# Altium PCB WiCAN_V2.PcbDoc (part 2 of 2)
Units mm, origin at the board's own origin, x right, y up, seen from the top; angles counter-clockwise.
Board outline 45 x 65 mm, 2 copper layers (Top Layer, Bottom Layer); 93 components, 68 nets, 354 pads, 217 vias.
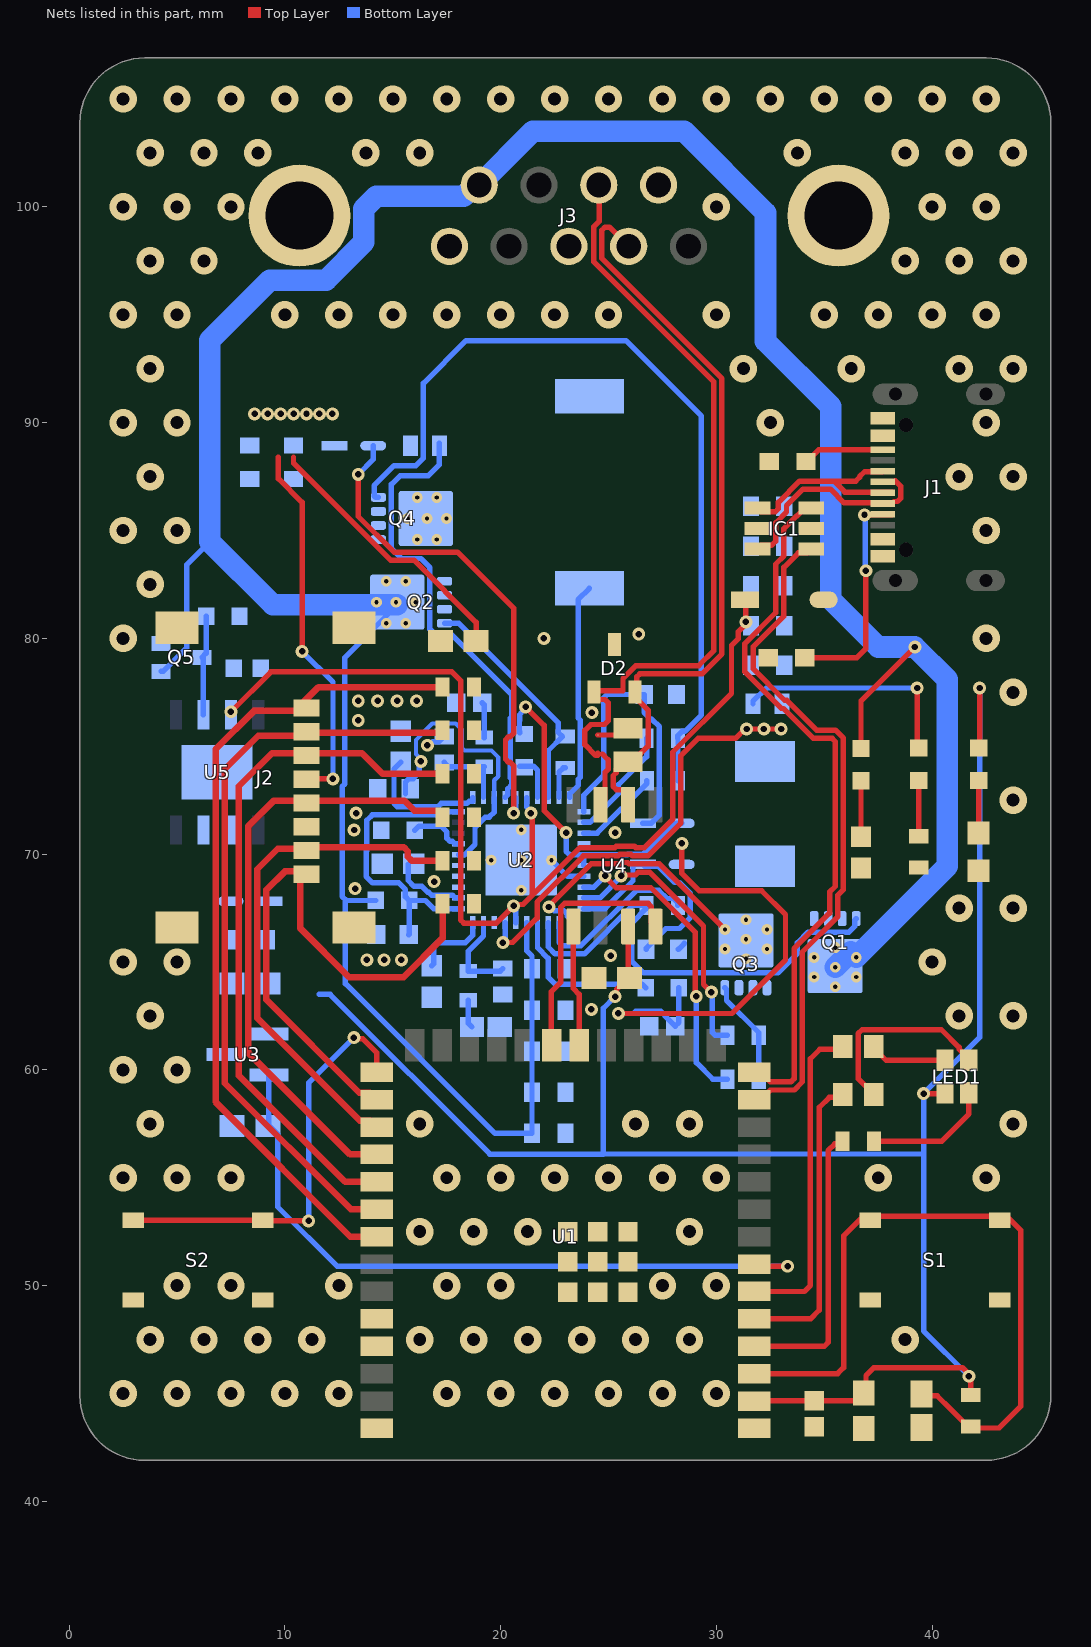
[diagram p2: the nets of this part, all layers, seen from the top]

## Part data (continued)
R13: library part CMP-03412-011629-2, "RES 100Ω 1.00% 0.1W 0603", Case/Package=0603, Resistance=100R, Tolerance=1%, RoHS Compliant=Yes
R14: library part CMP-2001-00481-1, Manufacturer=Panasonic, Package=0805, Resistance=120R, Part Number=ERJ-P06J121V
R15 R16: library part CMP-03412-003579-2, "RES 5.1KΩ 1.00% 0.1W 0603", Resistor=5.1k, RoHS Compliant=Yes
R17 R18 R19 R20 R32: "RES SMD 10kO 1% 1/10W 0603", Manufacturer_Name=Yageo, Copyright="Copyright (C) 2025 Ultra Librarian. All rights reserved.", Manufacturer_Part_Number=RC0603FR-0710KL, R=10k
R21: "RES SMD 2.5K OHM 0.1% 1/6W 0603", Manufacturer_Name="Stackpole International", Copyright="Copyright (C) 2025 Ultra Librarian. All rights reserved.", Manufacturer_Part_Number=RNCF0603BTE2K50, R=2.5k
R22 R23 R24 R25 R26 R28: library part CMP-26527-005040-1, "10Ω ±1% 0.1W 0603 Thick Film Chip Resistor AEC-Q200 compliant", Case Code (Imperial)=0603, Case Code (Metric)=1608, Max Operating Temperature=155°C, Max Power Dissipation=100mW, Min Operating Temperature=-55°C, Resistance=10R, Resistor Type="Thick Film", Temperature Coefficient=100ppm/°C, Tolerance=1%, Case/Package=0603, Construction=Rectangular, Contact Plating=Tin, Depth=0.8mm, Features="Automotive AEC-Q200", Height=0.022inch, Length=1.55mm, Military Standard=Not, Mount="Surface Mount", Number of Terminations=2, Packaging="Tape and Reel", Power Rating=100mW, Radiation Hardening=No, RoHS Compliant=Yes, Series=RMCF, Width=0.031inch
R27 R29: library part CMP-02407-000603-1, "RES SMD 100 OHM 1% 1/8W 0603", Case Code (Imperial)=0603, Case Code (Metric)=1608, Max Operating Temperature=155°C, Min Operating Temperature=-55°C, Power Rating=125mW, Resistance=4.02kR, Tolerance=0.1%, Voltage Rating=75V, Case/Package=0603, Composition="Thin Film", Height=0.45mm, Length=1.55mm, Packaging="Tape and Reel", Weight=6.7E-05oz, Width=0.85mm
R30 R31: library part CMP-2000-06932-2, "RES 20K OHM 1% 1/10W 0603", Case Code (Imperial)=0603, Case Code (Metric)=1608, Max Operating Temperature=155°C, Max Power Dissipation=100mW, Min Operating Temperature=-55°C, Package Quantity=1, Resistance=20kR, Resistance Tolerance=1%, Resistor Type="Thick Film", Temperature Coefficient=100ppm/°C, Voltage Rating=50V, Case/Package=0603, Construction=Rectangular, Depth=0.8mm, Features="Moisture Resistant", Height=0.022inch, Lead Free="Lead Free", Length=0.063inch, Military Standard=Not, Number of Pins=2, Number of Terminations=2, Packaging="Tape and Reel", Power Rating=100mW, REACH SVHC="No SVHC", RoHS Compliant=Yes, Series=RC, Size Code=0603, Technology="THICK FILM", Termination=SMD/SMT, Tolerance=1%, Voltage Rating (DC)=50V, Width=0.031inch
S1 S2: library part PTS526_SM15_SMTR2_LFS, "Switch", Arrow Part Number="PTS526 SM15 SMTR2 LFS", Manufacturer_Name="C & K COMPONENTS", Mouser Part Number=611-PTS526SM15SMTR2L, Arrow Price/Stock=https://www.arrow.com/en/products/pts526-sm15-smtr2-lfs/ck?region=nac, Datasheet Link=https://www.mouser.com/datasheet/2/60/pts526-1651200.pdf, Height=1.5mm, Manufacturer_Part_Number="PTS526 SM15 SMTR2 LFS", Mouser Price/Stock=https://www.mouser.co.uk/ProductDetail/CK/PTS526-SM15-SMTR2-LFS?qs=UXgszm6BlbENivbslIA%252B5g%3D%3D
U1: "Integrated Circuit", Manufacturer_Name="Espressif Systems", Mouser Part Number=356-ESP32-S3WROOM1N4, Datasheet Link=https://www.espressif.com/sites/default/files/documentation/esp32-s3-wroom-1_wroom-1u_datasheet_en.pdf, Height=3.25mm, Manufacturer_Part_Number=ESP32-S3-WROOM-1-N4, Mouser Price/Stock=https://www.mouser.co.uk/ProductDetail/Espressif-Systems/ESP32-S3-WROOM-1-N4?qs=Li%252BoUPsLEnsO%2FkiJOUK0FQ%3D%3D
U2: "3.5-V to 65-V low Iq, dual, 2-phase synchronous buck DC-DC controller 40-VQFNP -40 to 150", Manufacturer_Name="Texas Instruments", Copyright="Copyright (C) 2026 Ultra Librarian. All rights reserved.", Datasheet=https://www.ti.com/lit/gpn/lm5143-q1, Manufacturer_Part_Number=LM5143QRWGRQ1, RefDes=RefDes, Type=TYPE
U3: library part CMP-0192-00220-1, "Low-Power Linear Active Thermistor IC, 3-Pin SOT-23, Extended Temperature, Tape and Reel", Code_IPC=SOT23-3, DatasheetVersion="revE, Apr-2009", PackageDescription="3-Lead Plastic Small Outline Transistor (TT) [SOT-23]", PackageReference=SOT-23-TT3, PackageVersion="revBB, Aug-2009"
U4: library part CMP-0315-00075-2, "3.3 V Can Transceiver, 17 mA, -40 to 85 degC, 8-pin SOIC (D), Green (RoHS & no Sb/Br)", Drivers Per Package=1, Manufacturer="Texas Instruments", Rating=Catalog, Supply Voltage(s)(V)=3.3, Code_JEDEC=MS-012AA, ComponentLink1Description=Datasheet, ComponentLink1URL=http://www.ti.com/general/docs/lit/getliterature.tsp?genericPartNumber=SN65HVD232&fileType=pdf, DatasheetVersion=SLOS346K, Eco-Plan="Green (RoHS & no Sb/Br)", ICC(Max)(mA)=17, Isolated=No, Mounting Technology="Surface Mount", PackageDescription="8-Pin Plastic Small Outline Integrated Circuit, 4.9 x 3.9 mm, Pitch 1.27 mm Pitch", PackageReference=D0008A, PackageVersion="revM, Jun-2011", PartNumber=SN65HVD232DR, Receivers Per Package=1, SubFamily=CAN, Transient Pulse Protection(V)="-25 to 25"
U5: "Linear Voltage Regulator IC Positive Adjustable (Fixed) 1 Output 3A 8-SOIC, EDP", Manufacturer_Name=Semtech, Copyright="Copyright (C) 2026 Ultra Librarian. All rights reserved.", Digi-Key_Part_Number_1=SC4216STR-ND, Digi-Key_Part_Number_2=SC4216SCT-ND, Digi-Key_Part_Number_3=SC4216SDKR-ND, Manufacturer_Part_Number=SC4216STRT, RefDes=RefDes, Type=Type

## Via types
v1: diameter 1.27, hole 0.6, Top Layer to Bottom Layer, 130 vias
v2: diameter 0.6, hole 0.3, Top Layer to Bottom Layer, 59 vias
v3: diameter 0.5, hole 0.2, Top Layer to Bottom Layer, 28 vias

## Nets (pads, with @x,y where several pads share a name; then routed paths per layer and width w, separated by ;. In a path a pad name is that pad's centre, name@x,y a point inside that pad or via, vN(x,y) a via of type N, cw(c..) or ccw(c..) an arc to the next point about the centre after c; other vN are vias at no path point)
3V3_buck: D8.2 R29.2 U2.5 | length 23.2
  Top Layer w0.25: v2(13.4,87.6) 13.4,85.656 15.056,84 18,84 20.6,81.4 20.6,75.592 20.454,75.445 20.372,75.445 20.225,75.297 20.225,74.403 20.372,74.255 20.454,74.255 20.6,74.109 v2(20.6,71.9)
  Bottom Layer w0.25: v2(13.4,87.6) 14.091,88.291 D8.2@14.091,88.93 ; v2(20.6,71.9) 20.6,71.995 20.705,72.1 U2.5@20.705,72.623
3V3_LDO: D9.2 U5.6
+5: C14.1 C15.1 C16.1 C17.1 C18.1 C27.2 D1.1 D4.2 R27.1 R32.2 U2.6 U2.26 U5.3 | length 62.4
  Top Layer w0.25: v2(7.5,76.6) 9.347,78.447 17.738,78.447 18.148,78.038 18.148,66.952 18.296,66.804 19.804,66.804 v2(20.6,67.6) 20.667,67.667 21.042,67.667 21.474,68.099 23.675,70.3 25.296,70.3 25.364,70.368 26.198,70.368 26.266,70.3 26.662,70.3 27.973,71.611 27.973,74.722 30.7,77.449 30.7,79.673 31.014,79.987 31.014,80.32 31.322,80.627 31.322,80.767 31.367,80.811 31.367,81.743 D1.1@31.322,81.788 ; v2(21.4,71.9) 21.457,71.843 21.457,68.115 ; v2(39.3,77.7) 39.3,75 D4.2@39.382,74.918
  Bottom Layer w0.25: v2(20.6,67.6) 20.6,67.505 20.705,67.4 U2.26@20.705,66.823 ; U2.6@21.205,72.623 21.205,72.19 21.4,71.995 v2(21.4,71.9) ; R27.1@31.697,76.962 31.697,77.087 32.31,77.7 v2(39.3,77.7)
  other v2: 31.367,80.767
+12: C28.1 C29.1 C30.1 C31.1 C32.1 D3.2 J3.9 Q1.5-6-7-8 Q2.5-6-7-8 Q5.1 R20.2 U2.25 | length 147.4
  Top Layer w0.25: D3.2@36.7,74.9 36.7,77.1 v2(39.2,79.6)
  Bottom Layer w0.25: Q5.1@4.257,78.471 4.357,78.471 5.455,79.569 5.455,83.417 6.524,84.486 ; R20.2@14.214,67.852 12.846,67.852 ; Q2.5-6-7-8@15.16,81.564 15.16,81.491 12.779,79.11 12.779,73.256 12.652,73.129 12.652,68.046 12.846,67.852 ; U2.25@21.205,66.823 21.205,65.523 21.45,65.278 C28.1@21.45,64.678 C29.1@21.45,62.773 C30.1@21.45,60.868 C31.1@21.45,58.963 C32.1@21.45,57.058 19.742,57.058 12.8,64 12.8,67.805 12.846,67.852
  Bottom Layer w1: Q2.5-6-7-8@15.213,81.564 15.16,81.564 14.255,81.564 9.446,81.564 6.524,84.486 6.524,93.824 9.302,96.601 11.905,96.601 13.657,98.353 13.657,99.912 14.242,100.497 18.297,100.497 18.811,101.011 J3.9@19.007,101.011 21.496,103.5 28.5,103.5 32.274,99.726 32.274,93.778 35.3,90.751 35.3,81.8 37.5,79.6 v2(39.2,79.6) 40.7,78.1 40.7,69.435 v3(36.479,65.214) ; v3(35.504,64.761) Q1.5-6-7-8@36.218,65.475
  other v3: 35.504,63.856 34.529,64.309 36.479,64.309 34.529,65.214 35.504,65.666 14.7,80.7 15.605,80.7 14.247,81.675 15.152,81.675 16.057,81.675 14.7,82.65 15.605,82.65
BOOT: S2.3 S2.4 U1.27 | length 19.8
  Top Layer w0.25: S2.4@2.969,53.031 S2.3@8.969,53.031 8.984,53.015 11.085,53.015 v2(11.1,53) ; v2(13.2,61.5) 13.252,61.448 13.602,61.448 14.25,60.8 U1.27@14.25,59.891
  Bottom Layer w0.25: v2(11.1,53) 11.1,59.4 v2(13.2,61.5)
CAN_N: D2.2 J3.2 R14.2 U4.6 | length 35.5
  Top Layer w0.25: U4.6@25.908,72.294 25.908,72.727 25.646,72.989 25.361,72.989 25.215,73.135 25.215,73.633 25.358,73.776 25.358,73.786 25.358,73.932 25.708,74.282 26.108,74.282 26.835,75.009 26.835,76.676 26.306,77.205 26.306,78.213 26.452,78.359 29.337,78.359 30.254,79.276 30.254,92.047 24.688,97.613 24.688,98.915 24.834,99.062 25.041,99.062 J3.2@25.932,98.171
CAN_P: D2.1 J3.7 JMP1.1 U4.7 | length 37.9
  Top Layer w0.25: JMP1.1@24.506,74.676 24.506,74.581 24.396,74.581 23.904,75.074 23.904,75.734 24.179,76.009 24.809,76.009 24.981,76.181 24.981,77.023 24.835,77.169 24.498,77.169 24.323,77.344 D2.1@24.323,77.513 24.385,77.575 25.671,77.575 25.671,78.142 26.265,78.736 29.181,78.736 29.877,79.432 29.877,91.891 24.311,97.457 24.311,99.071 24.566,99.326 24.566,100.992 J3.7@24.547,101.011 ; U4.7@24.638,72.294 24.838,72.494 24.838,73.14 24.838,73.789 24.981,73.932 24.981,74.374 24.713,74.643
CC1: J1.A5 R15.2 | length 10.5
  Top Layer w0.25: R15.2@34.1,79.1 36.5,79.1 36.927,79.527 v2(36.927,83.133) ; v2(36.863,85.725) 36.876,85.738 38.121,85.738 J1.A5@38.133,85.75
  Bottom Layer w0.25: v2(36.863,85.725) 36.895,85.694 36.895,83.165 v2(36.927,83.133)
CC2: J1.B5 R16.2 | length 3.8
  Top Layer w0.25: R16.2@34.15,88.2 34.2,88.2 34.75,88.75 J1.B5@37.714,88.75
Comp1: C24.1 R31.2 U2.29 | length 4.2
  Bottom Layer w0.25: U2.29@19.205,66.823 19.205,66.205 18.5,65.5 R31.2@18.5,64.577 19.977,64.577 C24.1@20.1,64.7
Comp2: C22.1 R30.2 U2.2 | length 3.4
  Bottom Layer w0.25: C22.1@17.376,74.25 17.58,74.046 R30.2@19.235,74.046 19.205,74.017 U2.2@19.205,72.623
Cs1: L1.1 R27.2 U2.27 | length 20.3
  Top Layer w0.25: v2(20.1,65.9) 20.102,65.902 20.552,65.902 21.687,67.037 21.687,67.779 23.831,69.923 25.452,69.923 25.52,69.991 26.042,69.991 26.11,69.923 26.823,69.923 28.35,71.45 28.35,74.566 29.151,75.366 30.879,75.366 31.313,75.8 v2(32.2,75.8) v2(33,75.8)
  Bottom Layer w0.25: v2(20.1,65.9) 20.1,65.995 20.205,66.1 U2.27@20.205,66.823
  other v2: 31.4,75.8
Cs2: L2.2 R29.1 U2.4 | length 21.5
  Bottom Layer w0.25: R29.1@17.156,89.043 17.156,88.056 16.636,87.536 15.336,87.536 14.936,87.136 14.936,84.828 14.936,84.164 15.4,83.7 16.3,83.7 16.72,83.28 16.72,80.429 17.012,80.137 17.765,80.137 20.427,77.475 20.5,77.402 20.5,76.356 20.442,76.297 20.442,73.546 20.5,73.487 20.5,73.199 20.328,73.027 20.328,72.746 U2.4@20.205,72.623
D_ESD_N: IC1.4 U1.13 | length 31.7
  Top Layer w0.25: U1.13@31.75,58.621 32.05,58.621 32.498,59.069 33.61,59.069 33.977,59.436 33.977,65.46 35.626,67.109 35.626,68.095 35.884,68.353 35.884,75.375 35.516,75.743 34.648,75.743 33.263,77.127 33.166,77.127 31.698,78.596 31.698,79.604 33.126,81.032 33.126,83.293 33.798,83.965 34.222,83.965 IC1.4@34.397,84.14
D_ESD_P: IC1.6 U1.14 | length 33.1
  Top Layer w0.25: U1.14@31.75,59.891 32.05,59.891 32.495,59.446 33.454,59.446 33.6,59.592 33.6,65.616 35.249,67.265 35.249,68.252 35.507,68.51 35.507,75.218 35.359,75.366 34.491,75.366 33.107,76.75 33.01,76.75 31.321,78.439 31.321,79.761 32.749,81.189 32.749,83.449 33.126,83.826 33.126,85.082 33.696,85.652 33.709,85.652 34.097,86.04 IC1.6@34.397,86.04
D_N: IC1.3 J1.A7 J1.B7 | length 9.7
  Top Layer w0.25: IC1.3@31.897,84.14 32.072,84.315 32.554,84.315 32.749,84.51 32.749,85.355 33.249,85.855 33.249,86.148 34.013,86.913 35.287,86.913 35.923,86.277 37.687,86.277 J1.B7@37.714,86.25 ; J1.B7@37.714,86.277 38.161,86.277 38.229,86.346 38.39,86.346 38.538,86.493 38.538,87.056 38.293,87.3 J1.A7@38.284,87.3
D_P: IC1.1 J1.A6 J1.B6 | length 9.8
  Top Layer w0.25: IC1.1@31.897,86.04 32.072,85.865 32.726,85.865 32.872,86.011 32.872,86.305 33.857,87.29 35.401,87.29 35.444,87.29 ; J1.B6@37.714,87.75 37.687,87.723 36.861,87.723 36.635,87.497 36.635,87.467 36.457,87.29 35.444,87.29 ; J1.A6@38.161,86.777 35.956,86.777 35.444,87.29
En: R20.1 R21.2 U2.31 U2.40 | length 13.7
  Bottom Layer w0.25: R21.2@15.733,66.269 15.758,66.294 R20.1@15.758,67.852 ; U2.31@18.055,67.473 16.89,67.473 16.511,67.852 R20.1@15.758,67.852 ; U2.40@18.055,71.973 17.406,71.973 17.256,71.823 14.053,71.823 13.8,71.57 13.8,70.161 13.766,70.127 13.766,68.968 14.069,68.665 15.278,68.665 15.581,68.363 15.581,68.029 R20.1@15.758,67.852
En_LDO: Q5.3 R32.1 U5.2 | length 4.7
  Bottom Layer w0.25: U5.2@6.223,76.467 6.223,79.055 Q5.3@6.157,79.121 6.35,79.314 R32.1@6.35,81.026
GND: C1.1 C2.2 C3.1 C4.1 C5.2 C8.1 C9.1 C10.1 C11.1 C12.2 C13.1 C14.2 C15.2 C16.2 C17.2 C18.2 C19.2 C20.2 C21.2 C22.2 C23.2 C24.2 C25.1 C26.1 C27.1 C28.2 C29.2 C30.2 C31.2 C32.2 D2.3 IC1.2 J1.A1-B12 J1.B1-A12 J2.6 J2.9 J2.10 J2.11 J2.12 J3.3 J3.5 J3.6 J3.MH1 J3.MH2 Q3.1 Q3.2 Q3.3 Q4.1 Q4.2 Q4.3 Q5.2 R11.1 R12.2 R13.2 R15.1 R16.1 R19.1 R21.1 S1.1 S1.2 S2.1 S2.2 U1.1 U1.40 U1.41 U1.42 U1.43 U1.44 U1.45 U1.46 U1.47 U1.48 U1.49 U2.14 U2.17 U2.28 U2.33 U2.34 U2.35 U2.41 U2.V U3.3 U5.7 U5.EPAD | length 2.8
  Bottom Layer w0.25: v2(16.599,75.046) 16.694,75.046 16.848,75.2 17.126,75.2 C22.2@17.376,75.45 ; U2.V@22.355,69.723 23.105,68.973 U2.17@23.855,68.973
  other v1: 2.5,45 5,45 7.5,45 10,45 12.5,45 17.5,45 20,45 22.5,45 25,45 27.5,45 30,45 3.75,47.5 6.25,47.5 8.75,47.5 11.25,47.5 16.25,47.5 18.75,47.5 21.25,47.5 23.75,47.5 26.25,47.5 28.75,47.5 38.75,47.5 5,50 7.5,50 12.5,50 17.5,50 20,50 27.5,50 30,50 16.25,52.5 18.75,52.5 21.25,52.5 28.75,52.5 2.5,55 5,55 7.5,55 17.5,55 20,55 22.5,55 25,55 27.5,55 30,55 37.5,55 42.5,55 3.75,57.5 16.25,57.5 26.25,57.5 28.75,57.5 43.75,57.5 2.5,60 5,60 3.75,62.5 41.25,62.5 43.75,62.5 2.5,65 5,65 40,65 41.25,67.5 43.75,67.5 43.75,72.5 43.75,77.5 2.5,80 42.5,80 3.75,82.5 2.5,85 5,85 42.5,85 3.75,87.5 41.25,87.5 43.75,87.5 2.5,90 5,90 32.5,90 42.5,90 3.75,92.5 31.25,92.5 36.25,92.5 41.25,92.5 43.75,92.5 2.5,95 5,95 10,95 12.5,95 15,95 17.5,95 20,95 22.5,95 25,95 30,95 35,95 37.5,95 40,95 42.5,95 3.75,97.5 6.25,97.5 38.75,97.5 41.25,97.5 43.75,97.5 2.5,100 5,100 7.5,100 30,100 40,100 42.5,100 3.75,102.5 6.25,102.5 8.75,102.5 13.75,102.5 16.25,102.5 33.75,102.5 38.75,102.5 41.25,102.5 43.75,102.5 2.5,105 5,105 7.5,105 10,105 12.5,105 15,105 17.5,105 20,105 22.5,105 25,105 27.5,105 30,105 32.5,105 35,105 37.5,105 40,105 42.5,105
  other v2: 24.2,62.8 13.8,65.1 14.6,65.1 15.4,65.1 25.1,65.3 13.252,68.404 16.912,68.724 25.3,71 13.204,71.118 13.3,71.9 13.4,76.2 24.232,76.561 13.4,77.1 14.3,77.1 15.2,77.1 16.1,77.1 22,80 26.4,80.2
HB1: C6.1 D6.1 U2.20 | length 10.5
  Bottom Layer w0.25: U2.20@23.855,67.473 24.839,67.473 26.131,68.765 26.131,69.43 26.224,69.523 D6.1@26.589,69.523 26.681,69.43 27.323,69.43 27.4,69.354 27.4,69.344 28.06,68.684 28.279,68.684 28.791,68.172 28.791,67.064 28.279,66.552 27.655,66.552 26.739,65.636 C6.1@26.739,65.586
HB2: C7.1 D7.1 U2.11 | length 14.4
  Bottom Layer w0.25: U2.11@23.855,71.973 23.855,72.74 24.784,73.668 24.784,77.254 24.93,77.4 C7.1@26.65,77.4 26.65,76.575 26.978,76.247 27.013,76.247 27.352,75.908 27.352,71.807 26.973,71.428 D7.1@26.589,71.428
HO1: R22.2 U2.22 | length 7.9
  Bottom Layer w0.25: U2.22@22.705,66.823 22.705,65.903 22.851,65.757 23.724,65.757 26.287,68.32 27.327,68.32 27.704,67.943 28.014,67.943 28.214,67.743 R22.2@28.214,67.618
HO2: R23.2 U2.9 | length 1.5
  Bottom Layer w0.25: U2.9@22.705,72.623 22.705,73.798 22.905,73.998 R23.2@22.987,73.998
HOL1: Q1.4 R22.1 U2.23 | length 21.7
  Bottom Layer w0.25: U2.23@22.205,66.823 22.205,65.695 22.52,65.38 23.88,65.38 26.118,67.618 R22.1@26.764,67.618 26.764,67.493 26.087,66.816 26.087,65.032 26.623,64.496 32.852,64.496 33.752,65.396 33.752,65.89 34.246,66.383 36.14,66.383 36.404,66.648 36.404,66.934 Q1.4@36.479,67.009
HOL2: Q2.4 R23.1 U2.8 | length 11
  Bottom Layer w0.25: Q2.4@17.4,80.7 18.06,80.7 22.662,76.098 22.662,75.648 22.862,75.448 22.205,74.791 U2.8@22.205,72.623
LED_B: R4.2 U1.6 | length 15
  Top Layer w0.25: U1.6@31.75,49.731 34.077,49.731 34.354,50.008 34.354,60.516 34.795,60.957 35.724,60.957 R4.2@35.851,61.084
LED_G: R2.2 U1.5 | length 13.9
  Top Layer w0.25: U1.5@31.75,48.461 34.364,48.461 34.766,48.863 34.766,58.261 35.235,58.73 35.724,58.73 R2.2@35.851,58.857
LED_R: R3.1 U1.4 | length 13.2
  Top Layer w0.25: U1.4@31.75,47.191 34.999,47.191 35.179,47.371 35.179,56.261 35.492,56.574 35.724,56.574 R3.1@35.851,56.701
LO1: R24.2 U2.18 | length 14.3
  Top Layer w0.25: v2(24.84,68.994) 24.84,68.953 25.351,68.442 26.958,68.442 29.023,66.377 29.023,63.45 v2(29.066,63.407)
  Bottom Layer w0.25: U2.18@23.855,68.473 24.319,68.473 v2(24.84,68.994) ; v2(29.066,63.407) 29.066,60.334 29.829,59.571 R24.2@30.512,59.571
LO2: R25.2 U2.13 | length 4
  Bottom Layer w0.25: U2.13@23.855,70.973 24.473,70.973 26.775,73.275 R25.2@26.775,73.4
LOL1: R26.2 U2.19 | length 12.9
  Top Layer w0.25: v2(25.579,68.994) 25.619,69.034 26.254,69.034 26.373,69.152 26.913,69.152 29.4,66.665 29.4,63.967 v2(29.767,63.6)
  Bottom Layer w0.25: U2.19@23.855,67.973 24.599,67.973 25.579,68.953 v2(25.579,68.994) ; v2(29.767,63.6) 29.804,63.563 29.804,61.749 29.95,61.603 R26.2@30.512,61.603
LOL2: R28.2 U2.12 | length 5.3
  Bottom Layer w0.25: U2.12@23.855,71.473 24.136,71.473 25.45,72.787 25.45,73.207 26.764,74.52 R28.2@26.764,75.365
MCU_EN: C2.1 R1.2 S1.3 S1.4 U1.3 | length 33.1
  Top Layer w0.25: U1.3@31.75,45.921 35.621,45.921 35.9,46.2 35.9,52.307 36.757,53.164 36.757,53.21 43.461,53.21 44.1,52.571 44.1,44.4 43.1,43.4 41.854,43.4 R1.2@41.783,43.471 41.658,43.471 40.869,44.26 40.232,44.897 39.573,44.897 C2.1@39.497,44.973
MCU_Temp_In: C1.2 U1.7 U3.2 | length 32.7
  Top Layer w0.25: U1.7@31.75,51.001 31.851,50.9 v2(33.3,50.9)
  Bottom Layer w0.25: U3.2@9.255,59.756 9.255,57.45 C1.2@9.209,57.404 9.282,57.404 9.663,57.023 9.663,53.656 12.419,50.9 v2(33.3,50.9)
NetC23_1: C23.1 R30.1 | length 1.6
  Bottom Layer w0.25: C23.1@19.143,77.009 19.235,76.917 R30.1@19.235,75.4
NetC25_2: C25.2 R31.1 | length 1.3
  Bottom Layer w0.25: R31.1@18.5,63.223 18.5,62.157 C25.2@18.67,61.987
NetD3_1: D3.1 R11.2 | length 2.6
  Top Layer w0.25: R11.2@36.7,70.813 D3.1@36.7,73.4
NetD4_1: D4.1 R12.1 | length 2.6
  Top Layer w0.25: R12.1@39.382,70.829 D4.1@39.382,73.418
NetD5_1: D5.1 R13.1 | length 2.4
  Top Layer w0.25: R13.1@42.153,70.981 D5.1@42.153,73.418
NetJ2_1: J2.1 R7.1 U1.33 | length 38.2
  Top Layer w0.3: U1.33@14.25,52.271 13.029,52.271 6.787,58.513 6.787,74.859 8.563,76.635 10.55,76.635 10.699,76.784 10.699,76.885 11.559,77.745 R7.1@17.309,77.745
NetJ2_2: J2.2 R8.1 U1.32 | length 34.9
  Top Layer w0.3: U1.32@14.25,53.541 13.059,53.541 7.214,59.386 7.214,73.938 8.761,75.485 10.55,75.485 10.661,75.596 10.661,75.623 17.198,75.623 R8.1@17.309,75.734
NetJ2_3: J2.3 R9.1 U1.31 | length 31.7
  Top Layer w0.3: U1.31@13.6,54.811 12.789,54.811 7.863,59.737 7.863,73.141 9.407,74.685 10.499,74.685 13.561,74.685 14.523,73.723 16.539,73.723 R9.1@17.309,73.724
NetJ2_5: J2.5 R10.1 U1.30 | length 27.6
  Top Layer w0.3: U1.30@13.6,56.081 13.019,56.081 8.29,60.81 8.29,71.282 9.493,72.485 10.499,72.485 15.526,72.485 16.002,72.009 17.109,72.009 17.309,71.809 R10.1@17.309,71.713
NetJ2_7: J2.7 R5.1 U1.29 | length 23.5
  Top Layer w0.3: J2.7@10.499,70.285 10.463,70.249 9.67,70.249 8.717,69.296 8.717,62.403 13.469,57.651 13.95,57.651 U1.29@14.25,57.351 ; J2.7@11,70.17 11.144,70.314 15.517,70.314 15.694,70.137 15.694,69.878 15.87,69.702 R5.1@17.309,69.702
NetJ2_8: J2.8 R6.1 U1.28 | length 26.7
  Top Layer w0.3: J2.8@10.8,69.2 10,69.2 9.144,68.344 9.144,63.246 13.444,58.946 13.925,58.946 U1.28@14.25,58.621 ; J2.8@11,69.07 10.95,69.07 10.7,68.82 10.7,66.572 12.972,64.3 15.5,64.3 17.309,66.109 R6.1@17.309,67.691
NetJMP1_2: JMP1.2 R14.1 | length 1.5
  Top Layer w0.25: JMP1.2@24.506,75.522 25.598,75.522 R14.1@25.908,75.832
NetLED1_2: LED1.2 R4.1 | length 3.6
  Top Layer w0.25: R4.1@37.301,61.084 37.301,61.009 37.87,60.44 LED1.2@40.598,60.44
NetLED1_3: LED1.3 R2.1 | length 9.1
  Top Layer w0.25: R2.1@37.301,58.857 37.301,58.932 36.976,59.257 36.901,59.257 36.568,59.59 36.568,61.682 36.747,61.861 40.433,61.861 41.25,61.044 41.25,60.961 41.396,60.815 41.423,60.815 41.698,60.54 LED1.3@41.698,60.44
NetLED1_4: LED1.4 R3.2 | length 5.9
  Top Layer w0.25: R3.2@37.301,56.701 40.445,56.701 41.698,57.954 LED1.4@41.698,58.94
NetQ3_4: Q3.4 R24.1 R26.1 | length 4.9
  Bottom Layer w0.25: Q3.4@30.394,63.808 30.469,63.733 30.469,63.221 31.962,61.728 R26.1@31.962,61.603 R24.1@31.962,59.571
NetQ4_4: Q4.4 R25.1 R28.1 | length 39.6
  Bottom Layer w0.25: Q4.4@14.334,86.532 14.209,86.532 14.134,86.607 14.134,87.077 15.06,88.003 16.072,88.003 16.42,88.351 16.42,91.82 18.4,93.8 25.8,93.8 29.3,90.3 29.3,76.451 28.539,75.69 28.414,75.69 28.214,75.49 R28.1@28.214,75.365 28.219,75.359 28.219,73.406 R25.1@28.225,73.4
NetU1_20: U1.20 U4.1 | length 5.6
  Top Layer w0.25: U4.1@23.368,66.644 23.368,63.771 23.636,63.504 U1.20@23.635,61.141
NetU1_21: U1.21 U4.4 | length 11.9
  Top Layer w0.25: U1.21@22.365,61.141 22.352,61.154 22.352,63.627 22.791,64.066 22.791,67.545 22.967,67.721 26.832,67.721 26.978,67.575 26.978,66.844 U4.4@27.178,66.644
PG1: R17.2 U2.24 | length 7.5
  Bottom Layer w0.25: U2.24@21.705,66.823 21.705,65.662 22.2,65.167 22.2,64.297 22.521,63.976 26.549,63.976 R17.2@26.717,63.808
PG2: R18.1 U2.7 | length 2.2
  Bottom Layer w0.25: R18.1@20.883,74.078 21.522,74.078 21.705,73.895 U2.7@21.705,72.623
RES: C13.2 U2.32 | length 3.4
  Bottom Layer w0.25: C13.2@15.711,69.542 15.711,68.789 15.99,68.51 16.345,68.51 16.626,68.229 16.667,68.229 16.8,68.096 17.734,68.096 17.757,68.096 17.88,67.973 U2.32@18.055,67.973
RT: R19.2 U2.37 | length 2.6
  Bottom Layer w0.25: R19.2@16.015,71.1 16.215,71.3 17.228,71.3 17.503,71.025 17.503,70.744 17.651,70.596 17.757,70.596 17.88,70.473 U2.37@18.055,70.473
RX: U1.36
SS1: C8.2 U2.30 | length 3.6
  Bottom Layer w0.25: C8.2@16.8,64.825 16.9,64.925 16.9,65.754 17.046,65.9 18.367,65.9 18.705,66.238 U2.30@18.705,66.823
SS2: C12.1 U2.1 | length 6
  Bottom Layer w0.25: C12.1@15.367,74.252 15.054,73.939 15.054,72.346 15.2,72.2 17.1,72.2 17.25,72.35 18.432,72.35 18.53,72.448 18.705,72.448 U2.1@18.705,72.623
Sw1: C6.2 L1.2 Q1.1 Q1.2 Q1.3 Q3.5-6-7-8 U2.21 | length 12.1
  Top Layer w0.25: v2(22.239,67.55) 22.239,67.589 24.196,69.546 25.609,69.546 25.677,69.614 25.885,69.614 25.953,69.546 27.356,69.546 v3(30.394,66.508)
  Bottom Layer w0.25: v2(22.239,67.55) 22.295,67.55 22.47,67.375 22.934,67.375 23.082,67.227 23.082,67.121 23.205,66.998 U2.21@23.205,66.823 ; C6.2@28.239,65.586 C6.2@28.514,65.861
  other v3: 31.369,65.151 30.394,65.603 32.344,65.603 31.369,66.056 32.344,66.508 31.369,66.961
Sw2: C7.2 L2.1 Q2.1 Q2.2 Q2.3 Q4.5-6-7-8 U2.10 | length 10.2
  Bottom Layer w0.25: U2.10@23.205,72.623 23.205,72.798 23.6,73.193 23.6,73.48 23.689,73.569 23.689,76.211 23.591,76.309 23.591,81.799 L2.1@24.113,82.321
  other v3: 16.129,84.582 17.034,84.582 15.677,85.557 16.582,85.557 17.487,85.557 16.129,86.532 17.034,86.532
TX: U1.37
VBUS: D1.2 IC1.5 J1.A4-B9 J1.B4-A9
VCC: C3.2 C4.2 C9.2 C10.2 C11.2 C19.1 C20.1 C26.2 D5.2 D8.1 D9.1 J2.4 LED1.1 R1.1 R5.2 R6.2 R7.2 R8.2 R9.2 R10.2 U1.2 U3.1 U4.3 | length 122.2
  Top Layer w0.25: 9.7,88.4 9.7,87.4 10.8,86.3 v2(10.8,79.4) ; 10.4,88.4 10.4,88.123 14.9,83.623 15.977,83.623 18.861,80.739 C10.2@18.861,79.883 ; J2.4@10.657,73.585 10.757,73.485 v2(12.227,73.485) ; v2(25.3,63.4) 25.367,63.467 25.367,63.729 25.9,64.262 C11.2@25.973,64.262 25.908,64.327 U4.3@25.908,66.644 ; U1.2@31.75,44.651 31.769,44.67 C3.2@34.544,44.67 36.477,44.67 C4.2@36.83,45.023 36.931,45.124 36.931,45.831 37.3,46.2 41.4,46.2 41.783,45.817 R1.1@41.783,44.921 ; v2(39.6,58.9) 40.558,58.9 LED1.1@40.598,58.94 ; D5.2@42.153,74.918 42.2,74.965 v2(42.2,77.7)
  Bottom Layer w0.25: v2(10.8,79.4) 12.227,77.973 v2(12.227,73.485) ; 11.6,63.5 12.1,63.5 19.501,56.099 24.754,56.099 24.754,62.854 v2(25.3,63.4) ; 24.755,56.1 39.6,56.1 ; v2(41.7,45.8) 39.6,47.9 39.6,56.1 ; v2(42.2,77.7) 42.2,61.5 v2(39.6,58.9) 39.6,56.1
  other v2: 8.6,90.4 9.2,90.4 9.8,90.4 10.4,90.4 11,90.4 11.6,90.4 12.2,90.4
VCC_buck: C21.1 D6.2 D7.2 R17.1 R18.2 U2.15 U2.16 | length 38
  Top Layer w0.25: v2(21.152,76.827) 22.013,75.966 22.013,72.019 v2(23.032,71) ; v2(25.452,62.615) 30.715,62.615 33.2,65.1 33.2,67.2 32.1,68.3 29.213,68.3 28.4,69.113 v2(28.4,70.5)
  Bottom Layer w0.25: R18.2@20.883,75.622 20.873,75.825 20.873,76.195 20.877,76.199 20.877,76.457 v2(21.152,76.827) ; v2(23.032,71) 23.032,70.121 23.18,69.973 U2.15@23.855,69.973 ; U2.16@23.855,69.473 U2.15@23.855,69.973 ; v2(25.452,62.615) 26.156,62.615 26.252,62.711 27.421,62.711 27.597,62.534 27.597,62.524 28.09,62.031 28.261,62.201 R17.1@28.261,63.808 ; D7.2@28.389,71.428 28.005,71.428 26.57,69.993 25.882,69.993 25.862,69.973 U2.15@23.855,69.973
VDD: C5.1 U2.3 U2.36 | length 13.8
  Bottom Layer w0.2: v2(16.3,74.3) 16.3,74.408 16.072,74.636 16.072,75.292 16.832,76.052 17.92,76.052 18.2,75.773 18.2,74.917 18.317,74.8 19.573,74.8 19.893,74.48 19.893,73.613 19.705,73.425 U2.3@19.705,72.623
  Bottom Layer w0.25: C5.1@15.588,72.792 15.588,73.343 15.745,73.5 15.946,73.5 16.233,73.787 16.233,74.233 v2(16.3,74.3) ; U2.36@18.055,69.973 18.336,69.973 18.812,70.449 18.812,71.237 19.288,71.713 19.47,71.713 19.705,71.948 U2.3@19.705,72.623
pads on no net: J1.13 J1.14 J1.15 J1.16 J1.17 J1.18 J1.A8 J1.B8 J1.S_1_H1 J1.S_2_H1 J1.S_3_H1 J1.S_4_H1 J3.1 J3.4 J3.8 U1.8 U1.9 U1.10 U1.11 U1.12 U1.15 U1.16 U1.17 U1.18 U1.19 U1.22 U1.23 U1.24 U1.25 U1.26 U1.34 U1.35 U1.38 U1.39 U2.38 U2.39 U4.2 U4.5 U4.8 U5.1 U5.4 U5.5 U5.8

## Polygon pours and split planes (outlines as drawn)
GND on Top Layer "GND_L01_P002" (solid, pour order 2): 0.5,44.902 0.5,103.902 cw(c3.5,103.902) 3.5,106.902 42.5,106.902 cw(c42.5,103.902) 45.5,103.902 45.5,44.902 cw(c42.5,44.902) 42.5,41.902 3.5,41.902 cw(c3.5,44.902)
GND on Bottom Layer "GND_L02_P003" (solid, pour order 3): 0.5,44.902 0.5,103.902 cw(c3.5,103.902) 3.5,106.902 42.5,106.902 cw(c42.5,103.902) 45.5,103.902 45.5,44.902 cw(c42.5,44.902) 42.5,41.902 3.5,41.902 cw(c3.5,44.902)

## Other copper
Top Layer:
  rectangle net VCC: 7.9,88.2 13,93.1
  region net VBUS: 35.4,84.4 35.4,83.5 34.2,82.3 34.2,81 34.3,80.9 35.6,80.9 35.9,81.2 35.9,83.3 37,84.4 38.2,84.4 38.7,84.9 40,84.9 40.2,85.1 40.2,87.6 38.3,89.5 37.016,89.5 37.016,89.1 38.3,89.1 39,88.4 39,85.6 38.3,84.9 37,84.9 36.5,85.4 33.8,85.4 33.8,84.8 35,84.8
  region net VCC: 19.812,80.518 18.4,80.518 18.4,67.056 19.177,67.056 19.177,78.232 19.812,78.867
Bottom Layer:
  rectangle net VCC: 7.8,88.3 13.1,93.1
  rectangle net 3V3_buck: 13.3,88.4 16.1,90.3
  region net VCC: 8.509,68.326 11.1,70.917 11.1,74 12.4,74 12.4,62.4 11.346,62.4 10.16,61.214 8.128,61.214 8.128,62.103 8.509,62.484
  region net +5: 7.6,81.5 7.6,80.3 6.8,79.5 6.8,75.5 7.1,75.2 8.3,75.2 8.3,81.5
  region net Cs2: 25.7,93.2 18.3,93.2 16.8,91.7 16.8,88.5 18.3,88.5 18.9,89.1 18.9,90.4 25.7,90.4
  region net +5: 30.2,87 30.2,77.3 31,76.5 32,76.5 32,86.5 31.5,87
  region net Cs1: 32.8,77.4 32.8,76.3 31.3,76.3 31,76 31,73.5 33.5,73.5 33.5,77.4
  region net VCC_buck: 27.8,71.7 27.8,69.3 29,69.3 29,71.7
  region net Sw1: 33.5,70.2 33.5,68.5 34,68 36.1,68 36.1,66.7 33.5,66.7 33.5,65.5 32.8,64.8 27.9,64.8 27.8,64.9 27.8,66.2 27.9,66.3 29.2,66.3 29.2,68.3 30.9,68.3 31,68.4 31,70.2
  region net Sw2: 27.1,81.1 27.8,80.4 27.8,77 28.7,77 28.8,77.1 28.8,82.9 28.6,83.1 19,83.1 18.6,83.5 18.6,86.8 15.3,86.8 15.3,84.3 15.4,84.2 17,84.2 17,81.1
  region net 3V3_LDO: 7.2,71.8 6.8,71.4 6.8,67.5 8.2,67.5 8.2,71.4 7.8,71.8

## Silkscreen, mask and mechanical layers (free items; w line width, h text height)
Top Overlay:
  text "12V" at 35.45,75.801 h1
  text "5V" at 38.548,75.692 h1
  text "3V3" at 40.82,75.565 h1
  text "RST" at 38.054,54.654 h1.52
  text "BOOT" at 3.176,54.356 h1.52

## Text inside footprints (layer, text, board x,y; h text height)
U5: Bottom Overlay "*" at 4.521,77.038 h1.27 r90; Bottom 3D Body "*" at 5.702,75.724 h1.27 r90